# Altium PCB usb_can_8.PcbDoc (part 3 of 4) (continued)
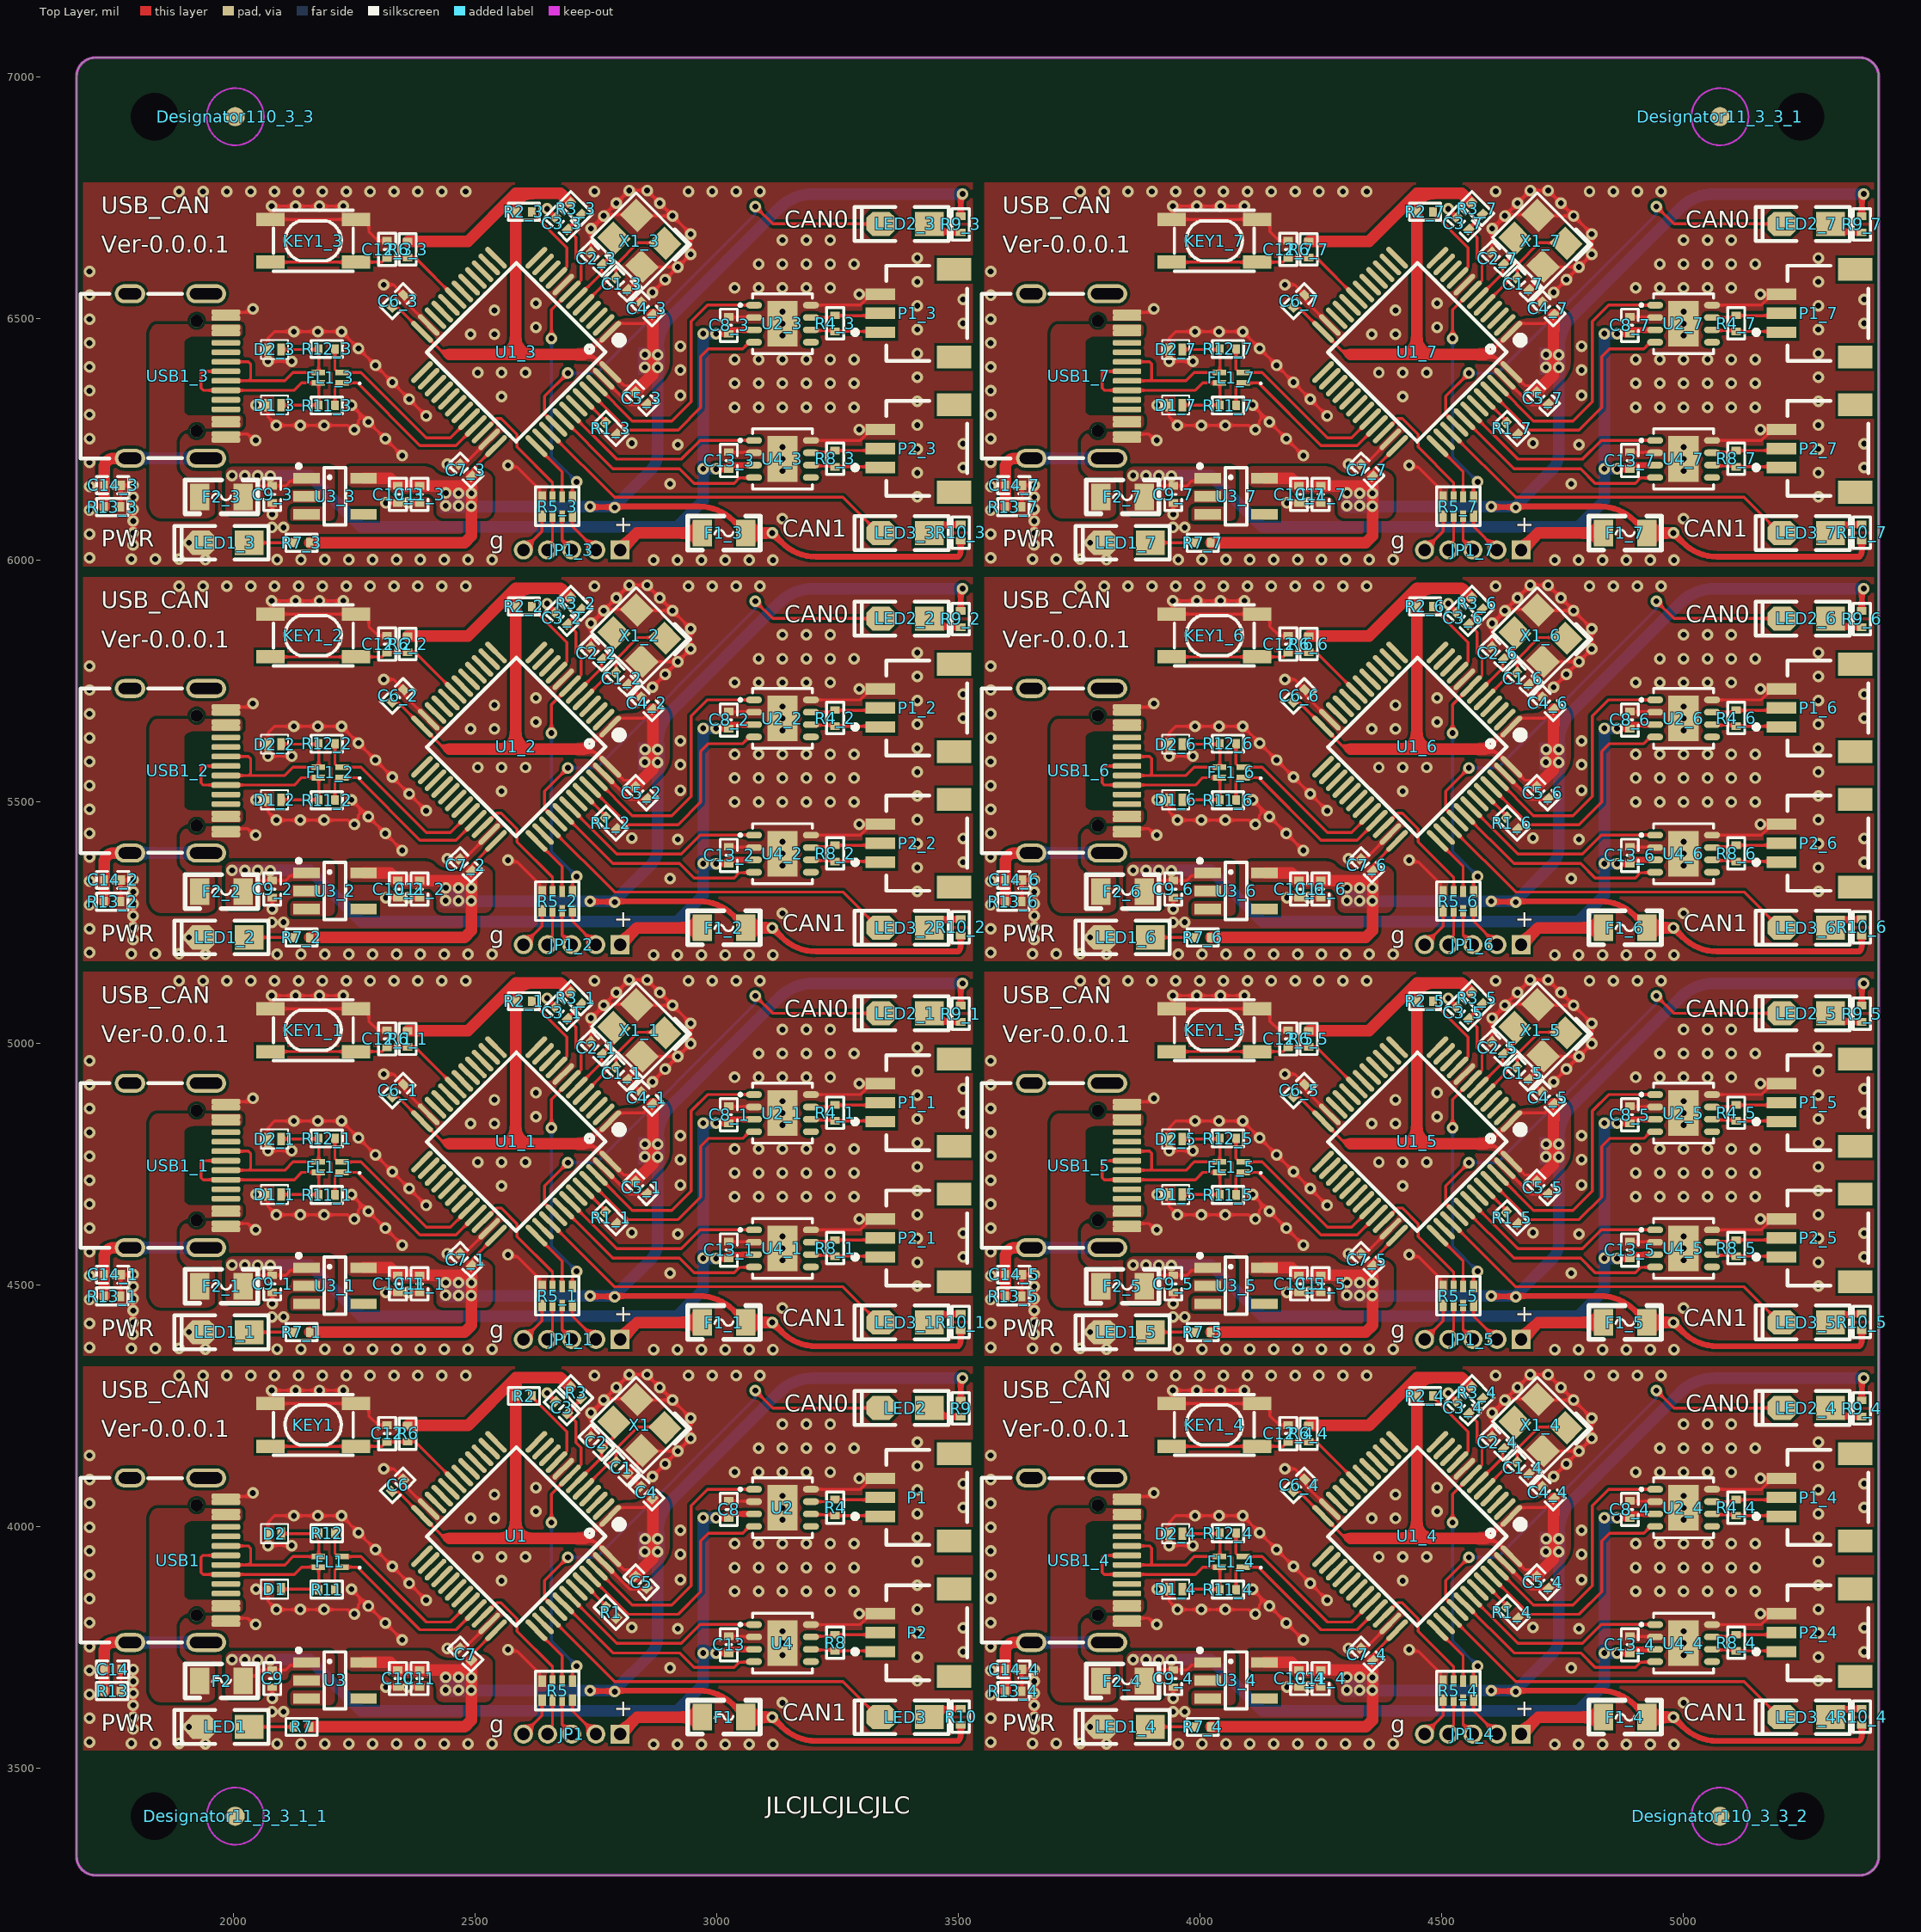
[diagram p0: Top Layer view]
## Nets (pads, with @x,y where several pads share a name; then routed paths per layer and width w, separated by ;. In a path a pad name is that pad's centre, name@x,y a point inside that pad or via, vN(x,y) a via of type N, cw(c..) or ccw(c..) an arc to the next point about the centre after c; other vN are vias at no path point) (continued)
  Bottom Layer w6: v1(2658,4008) 2658,3763 v1(2710,3711) ; v1(2658,4825) 2658,4580 v1(2710,4528) ; v1(2658,5642) 2658,5397 v1(2710,5345) ; v1(2658,6459) 2658,6214 v1(2710,6162) ; v1(4523,4008) 4523,3763 v1(4575,3711) ; v1(4523,4825) 4523,4580 v1(4575,4528) ; v1(4523,5642) 4523,5397 v1(4575,5345) ; v1(4523,6459) 4523,6214 v1(4575,6162)
SWCLK: R5.2 R5_1.2 R5_2.2 R5_3.2 R5_4.2 R5_5.2 R5_6.2 R5_7.2 U1.37 U1_1.37 U1_2.37 U1_3.37 U1_4.37 U1_5.37 U1_6.37 U1_7.37 | length 1019.4
  Top Layer w6: U1.37@2626.75,3785.12 2679.84,3732.04 R5.2@2679.84,3679.69 ; U1_1.37@2626.75,4602.12 2679.84,4549.04 R5_1.2@2679.84,4496.69 ; U1_2.37@2626.75,5419.12 2679.84,5366.04 R5_2.2@2679.84,5313.69 ; U1_3.37@2626.75,6236.12 2679.84,6183.04 R5_3.2@2679.84,6130.69 ; U1_4.37@4491.75,3785.12 4544.84,3732.04 R5_4.2@4544.84,3679.69 ; U1_5.37@4491.75,4602.12 4544.84,4549.04 R5_5.2@4544.84,4496.69 ; U1_6.37@4491.75,5419.12 4544.84,5366.04 R5_6.2@4544.84,5313.69 ; U1_7.37@4491.75,6236.12 4544.84,6183.04 R5_7.2@4544.84,6130.69
SWDIO: R5.3 R5_1.3 R5_2.3 R5_3.3 R5_4.3 R5_5.3 R5_6.3 R5_7.3 U1.34 U1_1.34 U1_2.34 U1_3.34 U1_4.34 U1_5.34 U1_6.34 U1_7.34 | length 2055.2
  Top Layer w6: U1.34@2515.41,3812.97 2544.44,3842 2554,3842 2587,3809 2587,3783 2660.16,3709.84 R5.3@2660.16,3679.69 ; U1_1.34@2515.41,4629.97 2544.44,4659 2554,4659 2587,4626 2587,4600 2660.16,4526.84 R5_1.3@2660.16,4496.69 ; U1_2.34@2515.41,5446.97 2544.44,5476 2554,5476 2587,5443 2587,5417 2660.16,5343.84 R5_2.3@2660.16,5313.69 ; U1_3.34@2515.41,6263.97 2544.44,6293 2554,6293 2587,6260 2587,6234 2660.16,6160.84 R5_3.3@2660.16,6130.69 ; U1_4.34@4380.41,3812.97 4409.44,3842 4419,3842 4452,3809 4452,3783 4525.16,3709.84 R5_4.3@4525.16,3679.69 ; U1_5.34@4380.41,4629.97 4409.44,4659 4419,4659 4452,4626 4452,4600 4525.16,4526.84 R5_5.3@4525.16,4496.69 ; U1_6.34@4380.41,5446.97 4409.44,5476 4419,5476 4452,5443 4452,5417 4525.16,5343.84 R5_6.3@4525.16,5313.69 ; U1_7.34@4380.41,6263.97 4409.44,6293 4419,6293 4452,6260 4452,6234 4525.16,6160.84 R5_7.3@4525.16,6130.69
USART2_RX(PB11): U1.22 U1_1.22 U1_2.22 U1_3.22 U1_4.22 U1_5.22 U1_6.22 U1_7.22
USART2_TX(PB10): U1.21 U1_1.21 U1_2.21 U1_3.21 U1_4.21 U1_5.21 U1_6.21 U1_7.21
USB_FS_N: FL1.4 FL1_1.4 FL1_2.4 FL1_3.4 FL1_4.4 FL1_5.4 FL1_6.4 FL1_7.4 R12.1 R12_1.1 R12_2.1 R12_3.1 R12_4.1 R12_5.1 R12_6.1 R12_7.1 U1.32 U1_1.32 U1_2.32 U1_3.32 U1_4.32 U1_5.32 U1_6.32 U1_7.32 | length 3155.1
  Top Layer w6: R12.1@2209.83,3985.94 2209.83,3944.31 2216.73,3937.41 FL1.4@2224.61,3937.41 2263.59,3937.41 2399,3802 2448.76,3802 U1.32@2487.57,3840.81 ; R12_1.1@2209.83,4802.94 2209.83,4761.31 2216.73,4754.41 FL1_1.4@2224.61,4754.41 2263.59,4754.41 2399,4619 2448.76,4619 U1_1.32@2487.57,4657.81 ; R12_2.1@2209.83,5619.94 2209.83,5578.31 2216.73,5571.41 FL1_2.4@2224.61,5571.41 2263.59,5571.41 2399,5436 2448.76,5436 U1_2.32@2487.57,5474.81 ; R12_3.1@2209.83,6436.94 2209.83,6395.31 2216.73,6388.41 FL1_3.4@2224.61,6388.41 2263.59,6388.41 2399,6253 2448.76,6253 U1_3.32@2487.57,6291.81 ; R12_4.1@4074.83,3985.94 4074.83,3944.31 4081.73,3937.41 FL1_4.4@4089.61,3937.41 4128.59,3937.41 4264,3802 4313.76,3802 U1_4.32@4352.57,3840.81 ; R12_5.1@4074.83,4802.94 4074.83,4761.31 4081.73,4754.41 FL1_5.4@4089.61,4754.41 4128.59,4754.41 4264,4619 4313.76,4619 U1_5.32@4352.57,4657.81 ; R12_6.1@4074.83,5619.94 4074.83,5578.31 4081.73,5571.41 FL1_6.4@4089.61,5571.41 4128.59,5571.41 4264,5436 4313.76,5436 U1_6.32@4352.57,5474.81 ; R12_7.1@4074.83,6436.94 4074.83,6395.31 4081.73,6388.41 FL1_7.4@4089.61,6388.41 4128.59,6388.41 4264,6253 4313.76,6253 U1_7.32@4352.57,6291.81
USB_FS_P: FL1.1 FL1_1.1 FL1_2.1 FL1_3.1 FL1_4.1 FL1_5.1 FL1_6.1 FL1_7.1 R11.1 R11_1.1 R11_2.1 R11_3.1 R11_4.1 R11_5.1 R11_6.1 R11_7.1 U1.33 U1_1.33 U1_2.33 U1_3.33 U1_4.33 U1_5.33 U1_6.33 U1_7.33 | length 3239.9
  Top Layer w6: R11.1@2209.83,3869.06 2209.83,3908.85 2216.73,3915.75 FL1.1@2224.61,3915.75 2256.25,3915.75 2386,3786 2460.59,3786 U1.33@2501.48,3826.89 ; R11_1.1@2209.83,4686.06 2209.83,4725.85 2216.73,4732.75 FL1_1.1@2224.61,4732.75 2256.25,4732.75 2386,4603 2460.59,4603 U1_1.33@2501.48,4643.89 ; R11_2.1@2209.83,5503.06 2209.83,5542.85 2216.73,5549.75 FL1_2.1@2224.61,5549.75 2256.25,5549.75 2386,5420 2460.59,5420 U1_2.33@2501.48,5460.89 ; R11_3.1@2209.83,6320.06 2209.83,6359.85 2216.73,6366.75 FL1_3.1@2224.61,6366.75 2256.25,6366.75 2386,6237 2460.59,6237 U1_3.33@2501.48,6277.89 ; R11_4.1@4074.83,3869.06 4074.83,3908.85 4081.73,3915.75 FL1_4.1@4089.61,3915.75 4121.25,3915.75 4251,3786 4325.59,3786 U1_4.33@4366.48,3826.89 ; R11_5.1@4074.83,4686.06 4074.83,4725.85 4081.73,4732.75 FL1_5.1@4089.61,4732.75 4121.25,4732.75 4251,4603 4325.59,4603 U1_5.33@4366.48,4643.89 ; R11_6.1@4074.83,5503.06 4074.83,5542.85 4081.73,5549.75 FL1_6.1@4089.61,5549.75 4121.25,5549.75 4251,5420 4325.59,5420 U1_6.33@4366.48,5460.89 ; R11_7.1@4074.83,6320.06 4074.83,6359.85 4081.73,6366.75 FL1_7.1@4089.61,6366.75 4121.25,6366.75 4251,6237 4325.59,6237 U1_7.33@4366.48,6277.89
USB_N: D2.1 D2_1.1 D2_2.1 D2_3.1 D2_4.1 D2_5.1 D2_6.1 D2_7.1 FL1.3 FL1_1.3 FL1_2.3 FL1_3.3 FL1_4.3 FL1_5.3 FL1_6.3 FL1_7.3 R12.2 R12_1.2 R12_2.2 R12_3.2 R12_4.2 R12_5.2 R12_6.2 R12_7.2 USB1.A7 USB1.B7 USB1_1.A7 USB1_1.B7 USB1_2.A7 USB1_2.B7 USB1_3.A7 USB1_3.B7 USB1_4.A7 USB1_4.B7 USB1_5.A7 USB1_5.B7 USB1_6.A7 USB1_6.B7 USB1_7.A7 USB1_7.B7 | length 3698.5
  Top Layer w6: USB1.B7@1984.21,3959.53 2030.9,3959.53 2035.42,3955 2035.42,3923.67 2031.91,3920.16 USB1.A7@1984.21,3920.16 2106.16,3920.16 2123.41,3937.41 FL1.3@2175.39,3937.41 2176.36,3938.37 R12.2@2176.36,3985.94 2175.43,3985 D2.1@2098.78,3985 ; USB1_1.B7@1984.21,4776.53 2030.9,4776.53 2035.42,4772 2035.42,4740.67 2031.91,4737.16 USB1_1.A7@1984.21,4737.16 2106.16,4737.16 2123.41,4754.41 FL1_1.3@2175.39,4754.41 2176.36,4755.37 R12_1.2@2176.36,4802.94 2175.43,4802 D2_1.1@2098.78,4802 ; USB1_2.B7@1984.21,5593.53 2030.9,5593.53 2035.42,5589 2035.42,5557.67 2031.91,5554.16 USB1_2.A7@1984.21,5554.16 2106.16,5554.16 2123.41,5571.41 FL1_2.3@2175.39,5571.41 2176.36,5572.37 R12_2.2@2176.36,5619.94 2175.43,5619 D2_2.1@2098.78,5619 ; USB1_3.B7@1984.21,6410.53 2030.9,6410.53 2035.42,6406 2035.42,6374.67 2031.91,6371.16 USB1_3.A7@1984.21,6371.16 2106.16,6371.16 2123.41,6388.41 FL1_3.3@2175.39,6388.41 2176.36,6389.37 R12_3.2@2176.36,6436.94 2175.43,6436 D2_3.1@2098.78,6436 ; USB1_4.B7@3849.21,3959.53 3895.9,3959.53 3900.43,3955 3900.43,3923.67 3896.91,3920.16 USB1_4.A7@3849.21,3920.16 3971.16,3920.16 3988.41,3937.41 FL1_4.3@4040.39,3937.41 4041.36,3938.37 R12_4.2@4041.36,3985.94 4040.43,3985 D2_4.1@3963.78,3985 ; USB1_5.B7@3849.21,4776.53 3895.9,4776.53 3900.43,4772 3900.43,4740.67 3896.91,4737.16 USB1_5.A7@3849.21,4737.16 3971.16,4737.16 3988.41,4754.41 FL1_5.3@4040.39,4754.41 4041.36,4755.37 R12_5.2@4041.36,4802.94 4040.43,4802 D2_5.1@3963.78,4802 ; USB1_6.B7@3849.21,5593.53 3895.9,5593.53 3900.43,5589 3900.43,5557.67 3896.91,5554.16 USB1_6.A7@3849.21,5554.16 3971.16,5554.16 3988.41,5571.41 FL1_6.3@4040.39,5571.41 4041.36,5572.37 R12_6.2@4041.36,5619.94 4040.43,5619 D2_6.1@3963.78,5619 ; USB1_7.B7@3849.21,6410.53 3895.9,6410.53 3900.43,6406 3900.43,6374.67 3896.91,6371.16 USB1_7.A7@3849.21,6371.16 3971.16,6371.16 3988.41,6388.41 FL1_7.3@4040.39,6388.41 4041.36,6389.37 R12_7.2@4041.36,6436.94 4040.43,6436 D2_7.1@3963.78,6436
USB_P: D1.1 D1_1.1 D1_2.1 D1_3.1 D1_4.1 D1_5.1 D1_6.1 D1_7.1 FL1.2 FL1_1.2 FL1_2.2 FL1_3.2 FL1_4.2 FL1_5.2 FL1_6.2 FL1_7.2 R11.2 R11_1.2 R11_2.2 R11_3.2 R11_4.2 R11_5.2 R11_6.2 R11_7.2 USB1.A6 USB1.B6 USB1_1.A6 USB1_1.B6 USB1_2.A6 USB1_2.B6 USB1_3.A6 USB1_3.B6 USB1_4.A6 USB1_4.B6 USB1_5.A6 USB1_5.B6 USB1_6.A6 USB1_6.B6 USB1_7.A6 USB1_7.B6 | length 3677.2
  Top Layer w6: USB1.A6@1984.21,3939.84 1936.51,3939.84 1933,3936.33 1933,3905 1937.53,3900.47 USB1.B6@1984.21,3900.47 2125.47,3900.47 2140.75,3915.75 FL1.2@2175.39,3915.75 2176.36,3914.78 R11.2@2176.36,3869.06 2175.43,3870 D1.1@2098.78,3870 ; USB1_1.A6@1984.21,4756.84 1936.51,4756.84 1933,4753.33 1933,4722 1937.53,4717.47 USB1_1.B6@1984.21,4717.47 2125.47,4717.47 2140.75,4732.75 FL1_1.2@2175.39,4732.75 2176.36,4731.78 R11_1.2@2176.36,4686.06 2175.43,4687 D1_1.1@2098.78,4687 ; USB1_2.A6@1984.21,5573.84 1936.51,5573.84 1933,5570.33 1933,5539 1937.53,5534.47 USB1_2.B6@1984.21,5534.47 2125.47,5534.47 2140.75,5549.75 FL1_2.2@2175.39,5549.75 2176.36,5548.78 R11_2.2@2176.36,5503.06 2175.43,5504 D1_2.1@2098.78,5504 ; USB1_3.A6@1984.21,6390.84 1936.51,6390.84 1933,6387.33 1933,6356 1937.53,6351.47 USB1_3.B6@1984.21,6351.47 2125.47,6351.47 2140.75,6366.75 FL1_3.2@2175.39,6366.75 2176.36,6365.78 R11_3.2@2176.36,6320.06 2175.43,6321 D1_3.1@2098.78,6321 ; USB1_4.A6@3849.21,3939.84 3801.51,3939.84 3798,3936.33 3798,3905 3802.53,3900.47 USB1_4.B6@3849.21,3900.47 3990.47,3900.47 4005.75,3915.75 FL1_4.2@4040.39,3915.75 4041.36,3914.78 R11_4.2@4041.36,3869.06 4040.43,3870 D1_4.1@3963.78,3870 ; USB1_5.A6@3849.21,4756.84 3801.51,4756.84 3798,4753.33 3798,4722 3802.53,4717.47 USB1_5.B6@3849.21,4717.47 3990.47,4717.47 4005.75,4732.75 FL1_5.2@4040.39,4732.75 4041.36,4731.78 R11_5.2@4041.36,4686.06 4040.43,4687 D1_5.1@3963.78,4687 ; USB1_6.A6@3849.21,5573.84 3801.51,5573.84 3798,5570.33 3798,5539 3802.53,5534.47 USB1_6.B6@3849.21,5534.47 3990.47,5534.47 4005.75,5549.75 FL1_6.2@4040.39,5549.75 4041.36,5548.78 R11_6.2@4041.36,5503.06 4040.43,5504 D1_6.1@3963.78,5504 ; USB1_7.A6@3849.21,6390.84 3801.51,6390.84 3798,6387.33 3798,6356 3802.53,6351.47 USB1_7.B6@3849.21,6351.47 3990.47,6351.47 4005.75,6366.75 FL1_7.2@4040.39,6366.75 4041.36,6365.78 R11_7.2@4041.36,6320.06 4040.43,6321 D1_7.1@3963.78,6321
USBVCC: F2.1 F2_1.1 F2_2.1 F2_3.1 F2_4.1 F2_5.1 F2_6.1 F2_7.1 USB1.A4 USB1.A9 USB1.B4 USB1.B9 USB1_1.A4 USB1_1.A9 USB1_1.B4 USB1_1.B9 USB1_2.A4 USB1_2.A9 USB1_2.B4 USB1_2.B9 USB1_3.A4 USB1_3.A9 USB1_3.B4 USB1_3.B9 USB1_4.A4 USB1_4.A9 USB1_4.B4 USB1_4.B9 USB1_5.A4 USB1_5.A9 USB1_5.B4 USB1_5.B9 USB1_6.A4 USB1_6.A9 USB1_6.B4 USB1_6.B9 USB1_7.A4 USB1_7.A9 USB1_7.B4 USB1_7.B9
VCC3V3: C4.1 C4_1.1 C4_2.1 C4_3.1 C4_4.1 C4_5.1 C4_6.1 C4_7.1 C5.1 C5_1.1 C5_2.1 C5_3.1 C5_4.1 C5_5.1 C5_6.1 C5_7.1 C6.1 C6_1.1 C6_2.1 C6_3.1 C6_4.1 C6_5.1 C6_6.1 C6_7.1 C7.1 C7_1.1 C7_2.1 C7_3.1 C7_4.1 C7_5.1 C7_6.1 C7_7.1 C10.2 C10_1.2 C10_2.2 C10_3.2 C10_4.2 C10_5.2 C10_6.2 C10_7.2 C11.2 C11_1.2 C11_2.2 C11_3.2 C11_4.2 C11_5.2 C11_6.2 C11_7.2 F1.1 F1_1.1 F1_2.1 F1_3.1 F1_4.1 F1_5.1 F1_6.1 F1_7.1 R2.1 R2_1.1 R2_2.1 R2_3.1 R2_4.1 R2_5.1 R2_6.1 R2_7.1 R3.2 R3_1.2 R3_2.2 R3_3.2 R3_4.2 R3_5.2 R3_6.2 R3_7.2 R6.1 R6_1.1 R6_2.1 R6_3.1 R6_4.1 R6_5.1 R6_6.1 R6_7.1 R7.2 R7_1.2 R7_2.2 R7_3.2 R7_4.2 R7_5.2 R7_6.2 R7_7.2 R9.1 R9_1.1 R9_2.1 R9_3.1 R9_4.1 R9_5.1 R9_6.1 R9_7.1 R10.1 R10_1.1 R10_2.1 R10_3.1 R10_4.1 R10_5.1 R10_6.1 R10_7.1 U1.1 U1.24 U1.36 U1.48 U1_1.1 U1_1.24 U1_1.36 U1_1.48 U1_2.1 U1_2.24 U1_2.36 U1_2.48 U1_3.1 U1_3.24 U1_3.36 U1_3.48 U1_4.1 U1_4.24 U1_4.36 U1_4.48 U1_5.1 U1_5.24 U1_5.36 U1_5.48 U1_6.1 U1_6.24 U1_6.36 U1_6.48 U1_7.1 U1_7.24 U1_7.36 U1_7.48 U3.5 U3_1.5 U3_2.5 U3_3.5 U3_4.5 U3_5.5 U3_6.5 U3_7.5 | length 37588.3
  Top Layer w6: C6.1@2327.47,4072.47 2328.86,4071.08 2340.81,4071.08 U1.24@2390.13,4021.76 2429.74,3982.15 ccw(c2447,3999.41) 2447,3975 ; C6_1.1@2327.47,4889.47 2328.86,4888.08 2340.81,4888.08 U1_1.24@2390.13,4838.76 2429.74,4799.15 ccw(c2447,4816.41) 2447,4792 ; C6_2.1@2327.47,5706.47 2328.86,5705.08 2340.81,5705.08 U1_2.24@2390.13,5655.76 2429.74,5616.15 ccw(c2447,5633.41) 2447,5609 ; C6_3.1@2327.47,6523.47 2328.86,6522.08 2340.81,6522.08 U1_3.24@2390.13,6472.76 2429.74,6433.15 ccw(c2447,6450.41) 2447,6426 ; 2493.92,3735.8 U1.36@2543.25,3785.13 ; 2493.92,4552.8 U1_1.36@2543.25,4602.13 ; 2493.92,5369.8 U1_2.36@2543.25,5419.13 ; 2493.92,6186.8 U1_3.36@2543.25,6236.13 ; 2756.02,3962.09 ccw(c2724.84,3930.89) 2724.84,3975 ccw(c2724.84,3994.99) 2738.97,3980.85 U1.1@2779.87,4021.75 2796.99,4038.87 2848.93,4038.87 C4.1@2867.53,4057.47 ; 2756.02,4779.09 ccw(c2724.84,4747.89) 2724.84,4792 ccw(c2724.84,4811.99) 2738.97,4797.85 U1_1.1@2779.87,4838.75 2796.99,4855.87 2848.93,4855.87 C4_1.1@2867.53,4874.47 ; 2756.02,5596.09 ccw(c2724.84,5564.89) 2724.84,5609 ccw(c2724.84,5628.99) 2738.97,5614.85 U1_2.1@2779.87,5655.75 2796.99,5672.87 2848.93,5672.87 C4_2.1@2867.53,5691.47 ; 2756.02,6413.09 ccw(c2724.84,6381.89) 2724.84,6426 ccw(c2724.84,6445.99) 2738.97,6431.85 U1_3.1@2779.87,6472.75 2796.99,6489.87 2848.93,6489.87 C4_3.1@2867.53,6508.47 ; 2756.03,3962.08 U1.48@2779.87,3938.24 2807.85,3910.26 2817.67,3910.26 C5.1@2831.1,3896.83 ; 2756.03,4779.08 U1_1.48@2779.87,4755.24 2807.85,4727.26 2817.67,4727.26 C5_1.1@2831.1,4713.83 ; 2756.03,5596.08 U1_2.48@2779.87,5572.24 2807.85,5544.26 2817.67,5544.26 C5_2.1@2831.1,5530.83 ; 2756.03,6413.08 U1_3.48@2779.87,6389.24 2807.85,6361.26 2817.67,6361.26 C5_3.1@2831.1,6347.83 ; C6_4.1@4192.47,4072.47 4193.86,4071.08 4205.81,4071.08 U1_4.24@4255.13,4021.76 4294.74,3982.15 ccw(c4312,3999.41) 4312,3975 ; C6_5.1@4192.47,4889.47 4193.86,4888.08 4205.81,4888.08 U1_5.24@4255.13,4838.76 4294.74,4799.15 ccw(c4312,4816.41) 4312,4792 ; C6_6.1@4192.47,5706.47 4193.86,5705.08 4205.81,5705.08 U1_6.24@4255.13,5655.76 4294.74,5616.15 ccw(c4312,5633.41) 4312,5609 ; C6_7.1@4192.47,6523.47 4193.86,6522.08 4205.81,6522.08 U1_7.24@4255.13,6472.76 4294.74,6433.15 ccw(c4312,6450.41) 4312,6426 ; 4358.92,3735.8 U1_4.36@4408.25,3785.13 ; 4358.92,4552.8 U1_5.36@4408.25,4602.13 ; 4358.92,5369.8 U1_6.36@4408.25,5419.13 ; 4358.92,6186.8 U1_7.36@4408.25,6236.13 ; 4621.02,3962.09 ccw(c4589.84,3930.89) 4589.84,3975 ccw(c4589.84,3994.99) 4603.97,3980.85 U1_4.1@4644.87,4021.75 4661.99,4038.87 4713.93,4038.87 C4_4.1@4732.53,4057.47 ; 4621.02,4779.09 ccw(c4589.84,4747.89) 4589.84,4792 ccw(c4589.84,4811.99) 4603.97,4797.85 U1_5.1@4644.87,4838.75 4661.99,4855.87 4713.93,4855.87 C4_5.1@4732.53,4874.47 ; 4621.02,5596.09 ccw(c4589.84,5564.89) 4589.84,5609 ccw(c4589.84,5628.99) 4603.97,5614.85 U1_6.1@4644.87,5655.75 4661.99,5672.87 4713.93,5672.87 C4_6.1@4732.53,5691.47 ; 4621.02,6413.09 ccw(c4589.84,6381.89) 4589.84,6426 ccw(c4589.84,6445.99) 4603.97,6431.85 U1_7.1@4644.87,6472.75 4661.99,6489.87 4713.93,6489.87 C4_7.1@4732.53,6508.47 ; 4621.03,3962.08 U1_4.48@4644.87,3938.24 4672.85,3910.26 4682.67,3910.26 C5_4.1@4696.1,3896.83 ; 4621.03,4779.08 U1_5.48@4644.87,4755.24 4672.85,4727.26 4682.67,4727.26 C5_5.1@4696.1,4713.83 ; 4621.03,5596.08 U1_6.48@4644.87,5572.24 4672.85,5544.26 4682.67,5544.26 C5_6.1@4696.1,5530.83 ; 4621.03,6413.08 U1_7.48@4644.87,6389.24 4672.85,6361.26 4682.67,6361.26 C5_7.1@4696.1,6347.83
  Top Layer w12: v1(2738,3660) 2739,3659 2788,3659 v1(2789,3658) ; v1(2738,4477) 2739,4476 2788,4476 v1(2789,4475) ; v1(2738,5294) 2739,5293 2788,5293 v1(2789,5292) ; v1(2738,6111) 2739,6110 2788,6110 v1(2789,6109) ; v1@2789,3660 2963.58,3660 cw(c2963.58,3560) 3034.29,3630.71 F1.1@3060,3605 ; v1@2789,4477 2963.58,4477 cw(c2963.58,4377) 3034.29,4447.71 F1_1.1@3060,4422 ; v1@2789,5294 2963.58,5294 cw(c2963.58,5194) 3034.29,5264.71 F1_2.1@3060,5239 ; v1@2789,6111 2963.58,6111 cw(c2963.58,6011) 3034.29,6081.71 F1_3.1@3060,6056 ; v1(3115,3605) 3134.71,3585.29 ccw(c3205.42,3656) 3205.42,3556 3500,3556 ccw(c3487.92,3568.08) 3505,3568.08 R10.1@3505,3589.25 ; v1(3115,4422) 3134.71,4402.29 ccw(c3205.42,4473) 3205.42,4373 3500,4373 ccw(c3487.92,4385.08) 3505,4385.08 R10_1.1@3505,4406.25 ; v1(3115,5239) 3134.71,5219.29 ccw(c3205.42,5290) 3205.42,5190 3500,5190 ccw(c3487.92,5202.08) 3505,5202.08 R10_2.1@3505,5223.25 ; v1(3115,6056) 3134.71,6036.29 ccw(c3205.42,6107) 3205.42,6007 3500,6007 ccw(c3487.92,6019.08) 3505,6019.08 R10_3.1@3505,6040.25 ; R9.1@3505,4260.75 3505,4297.34 cw(c3518.66,4297.34) v1(3509,4307) ; R9_1.1@3505,5077.75 3505,5114.34 cw(c3518.66,5114.34) v1(3509,5124) ; R9_2.1@3505,5894.75 3505,5931.34 cw(c3518.66,5931.34) v1(3509,5941) ; R9_3.1@3505,6711.75 3505,6748.34 cw(c3518.66,6748.34) v1(3509,6758) ; v1(4603,3660) 4604,3659 4653,3659 v1(4654,3658) ; v1(4603,4477) 4604,4476 4653,4476 v1(4654,4475) ; v1(4603,5294) 4604,5293 4653,5293 v1(4654,5292) ; v1(4603,6111) 4604,6110 4653,6110 v1(4654,6109) ; v1@4654,3660 4828.58,3660 cw(c4828.58,3560) 4899.29,3630.71 F1_4.1@4925,3605 ; v1@4654,4477 4828.58,4477 cw(c4828.58,4377) 4899.29,4447.71 F1_5.1@4925,4422 ; v1@4654,5294 4828.58,5294 cw(c4828.58,5194) 4899.29,5264.71 F1_6.1@4925,5239 ; v1@4654,6111 4828.58,6111 cw(c4828.58,6011) 4899.29,6081.71 F1_7.1@4925,6056 ; v1(4980,3605) 4999.71,3585.29 ccw(c5070.42,3656) 5070.42,3556 5365,3556 ccw(c5352.92,3568.08) 5370,3568.08 R10_4.1@5370,3589.25 ; v1(4980,4422) 4999.71,4402.29 ccw(c5070.42,4473) 5070.42,4373 5365,4373 ccw(c5352.92,4385.08) 5370,4385.08 R10_5.1@5370,4406.25 ; v1(4980,5239) 4999.71,5219.29 ccw(c5070.42,5290) 5070.42,5190 5365,5190 ccw(c5352.92,5202.08) 5370,5202.08 R10_6.1@5370,5223.25 ; v1(4980,6056) 4999.71,6036.29 ccw(c5070.42,6107) 5070.42,6007 5365,6007 ccw(c5352.92,6019.08) 5370,6019.08 R10_7.1@5370,6040.25 ; R9_4.1@5370,4260.75 5370,4297.34 cw(c5383.66,4297.34) v1(5374,4307) ; R9_5.1@5370,5077.75 5370,5114.34 cw(c5383.66,5114.34) v1(5374,5124) ; R9_6.1@5370,5894.75 5370,5931.34 cw(c5383.66,5931.34) v1(5374,5941) ; R9_7.1@5370,6711.75 5370,6748.34 cw(c5383.66,6748.34) v1(5374,6758)
  Top Layer w24: R7.2@2157.71,3585 2478.47,3585 2492.53,3599.06 2492.53,3705 ; R7_1.2@2157.71,4402 2478.47,4402 2492.53,4416.06 2492.53,4522 ; R7_2.2@2157.71,5219 2478.47,5219 2492.53,5233.06 2492.53,5339 ; R7_3.2@2157.71,6036 2478.47,6036 2492.53,6050.06 2492.53,6156 ; U3.5@2269.06,3718.48 2324.24,3718.48 C10.2@2340,3702.71 C11.2@2385,3702.71 2490.24,3702.71 2492.53,3705 ; U3_1.5@2269.06,4535.48 2324.24,4535.48 C10_1.2@2340,4519.71 C11_1.2@2385,4519.71 2490.24,4519.71 2492.53,4522 ; U3_2.5@2269.06,5352.48 2324.24,5352.48 C10_2.2@2340,5336.71 C11_2.2@2385,5336.71 2490.24,5336.71 2492.53,5339 ; U3_3.5@2269.06,6169.48 2324.24,6169.48 C10_3.2@2340,6153.71 C11_3.2@2385,6153.71 2490.24,6153.71 2492.53,6156 ; R6.1@2360.35,4208.8 2485.05,4208.8 2584.25,4308 2677,4308 R3.2@2696.48,4288.53 ; R6_1.1@2360.35,5025.8 2485.05,5025.8 2584.25,5125 2677,5125 R3_1.2@2696.48,5105.53 ; R6_2.1@2360.35,5842.8 2485.05,5842.8 2584.25,5942 2677,5942 R3_2.2@2696.48,5922.53 ; R6_3.1@2360.35,6659.8 2485.05,6659.8 2584.25,6759 2677,6759 R3_3.2@2696.48,6739.53 ; 2447,3975 2584,3975 ; 2447,4792 2584,4792 ; 2447,5609 2584,5609 ; 2447,6426 2584,6426 ; C7.1@2492.53,3722.47 2492.53,3705 ; C7_1.1@2492.53,4539.47 2492.53,4522 ; C7_2.1@2492.53,5356.47 2492.53,5339 ; C7_3.1@2492.53,6173.47 2492.53,6156 ; 2585,4308 2585,4277.33 2584.25,4276.58 R2.1@2584.25,4270 2584,4269.75 2584,3975 ; 2585,5125 2585,5094.33 2584.25,5093.58 R2_1.1@2584.25,5087 2584,5086.75 2584,4792 ; 2585,5942 2585,5911.33 2584.25,5910.58 R2_2.1@2584.25,5904 2584,5903.75 2584,5609 ; 2585,6759 2585,6728.33 2584.25,6727.58 R2_3.1@2584.25,6721 2584,6720.75 2584,6426 ; 2724.84,3975 2584,3975 ; 2724.84,4792 2584,4792 ; 2724.84,5609 2584,5609 ; 2724.84,6426 2584,6426 ; C5.1@2831.1,3896.83 2867.53,3933.27 C4.1@2867.53,4057.47 ; C5_1.1@2831.1,4713.83 2867.53,4750.27 C4_1.1@2867.53,4874.47 ; C5_2.1@2831.1,5530.83 2867.53,5567.27 C4_2.1@2867.53,5691.47 ; C5_3.1@2831.1,6347.83 2867.53,6384.27 C4_3.1@2867.53,6508.47 ; F1.1@3060,3605 v1(3115,3605) ; F1_1.1@3060,4422 v1(3115,4422) ; F1_2.1@3060,5239 v1(3115,5239) ; F1_3.1@3060,6056 v1(3115,6056) ; R7_4.2@4022.71,3585 4343.47,3585 4357.53,3599.06 4357.53,3705 ; R7_5.2@4022.71,4402 4343.47,4402 4357.53,4416.06 4357.53,4522 ; R7_6.2@4022.71,5219 4343.47,5219 4357.53,5233.06 4357.53,5339 ; R7_7.2@4022.71,6036 4343.47,6036 4357.53,6050.06 4357.53,6156 ; U3_4.5@4134.06,3718.48 4189.24,3718.48 C10_4.2@4205,3702.71 C11_4.2@4250,3702.71 4355.24,3702.71 4357.53,3705 ; U3_5.5@4134.06,4535.48 4189.24,4535.48 C10_5.2@4205,4519.71 C11_5.2@4250,4519.71 4355.24,4519.71 4357.53,4522 ; U3_6.5@4134.06,5352.48 4189.24,5352.48 C10_6.2@4205,5336.71 C11_6.2@4250,5336.71 4355.24,5336.71 4357.53,5339 ; U3_7.5@4134.06,6169.48 4189.24,6169.48 C10_7.2@4205,6153.71 C11_7.2@4250,6153.71 4355.24,6153.71 4357.53,6156 ; R6_4.1@4225.35,4208.8 4350.05,4208.8 4449.25,4308 4542,4308 R3_4.2@4561.48,4288.53 ; R6_5.1@4225.35,5025.8 4350.05,5025.8 4449.25,5125 4542,5125 R3_5.2@4561.48,5105.53 ; R6_6.1@4225.35,5842.8 4350.05,5842.8 4449.25,5942 4542,5942 R3_6.2@4561.48,5922.53 ; R6_7.1@4225.35,6659.8 4350.05,6659.8 4449.25,6759 4542,6759 R3_7.2@4561.48,6739.53 ; 4312,3975 4449,3975 ; 4312,4792 4449,4792 ; 4312,5609 4449,5609 ; 4312,6426 4449,6426 ; C7_4.1@4357.53,3722.47 4357.53,3705 ; C7_5.1@4357.53,4539.47 4357.53,4522 ; C7_6.1@4357.53,5356.47 4357.53,5339 ; C7_7.1@4357.53,6173.47 4357.53,6156 ; 4450,4308 4450,4277.33 4449.25,4276.58 R2_4.1@4449.25,4270 4449,4269.75 4449,3975 ; 4450,5125 4450,5094.33 4449.25,5093.58 R2_5.1@4449.25,5087 4449,5086.75 4449,4792 ; 4450,5942 4450,5911.33 4449.25,5910.58 R2_6.1@4449.25,5904 4449,5903.75 4449,5609 ; 4450,6759 4450,6728.33 4449.25,6727.58 R2_7.1@4449.25,6721 4449,6720.75 4449,6426 ; 4589.84,3975 4449,3975 ; 4589.84,4792 4449,4792 ; 4589.84,5609 4449,5609 ; 4589.84,6426 4449,6426 ; C5_4.1@4696.1,3896.83 4732.53,3933.27 C4_4.1@4732.53,4057.47 ; C5_5.1@4696.1,4713.83 4732.53,4750.27 C4_5.1@4732.53,4874.47 ; C5_6.1@4696.1,5530.83 4732.53,5567.27 C4_6.1@4732.53,5691.47 ; C5_7.1@4696.1,6347.83 4732.53,6384.27 C4_7.1@4732.53,6508.47 ; F1_4.1@4925,3605 v1(4980,3605) ; F1_5.1@4925,4422 v1(4980,4422) ; F1_6.1@4925,5239 v1(4980,5239) ; F1_7.1@4925,6056 v1(4980,6056)
  Bottom Layer w24: v1(2491.97,3660.77) 2492.74,3660 2787,3660 v1(2789,3658) ; v1(2491.97,4477.77) 2492.74,4477 2787,4477 v1(2789,4475) ; v1(2491.97,5294.77) 2492.74,5294 2787,5294 v1(2789,5292) ; v1(2491.97,6111.77) 2492.74,6111 2787,6111 v1(2789,6109) ; v1@2789,3660.77 2864.15,3735.92 ccw(c2831.38,3768.7) 2877.73,3768.7 v1(2877.73,3947.59) ; v1@2789,4477.77 2864.15,4552.92 ccw(c2831.38,4585.7) 2877.73,4585.7 v1(2877.73,4764.59) ; v1@2789,5294.77 2864.15,5369.92 ccw(c2831.38,5402.7) 2877.73,5402.7 v1(2877.73,5581.59) ; v1@2789,6111.77 2864.15,6186.92 ccw(c2831.38,6219.7) 2877.73,6219.7 v1(2877.73,6398.59) ; v1(2878,3974) 2878,3986.4 cw(c2973.6,3986.4) 2906,4054 3129.71,4277.71 cw(c3200.42,4207) 3200.42,4307 v1(3509,4307) ; v1(2878,4791) 2878,4803.4 cw(c2973.6,4803.4) 2906,4871 3129.71,5094.71 cw(c3200.42,5024) 3200.42,5124 v1(3509,5124) ; v1(2878,5608) 2878,5620.4 cw(c2973.6,5620.4) 2906,5688 3129.71,5911.71 cw(c3200.42,5841) 3200.42,5941 v1(3509,5941) ; v1(2878,6425) 2878,6437.4 cw(c2973.6,6437.4) 2906,6505 3129.71,6728.71 cw(c3200.42,6658) 3200.42,6758 v1(3509,6758) ; v1(4356.97,3660.77) 4357.74,3660 4652,3660 v1(4654,3658) ; v1(4356.97,4477.77) 4357.74,4477 4652,4477 v1(4654,4475) ; v1(4356.97,5294.77) 4357.74,5294 4652,5294 v1(4654,5292) ; v1(4356.97,6111.77) 4357.74,6111 4652,6111 v1(4654,6109) ; v1@4654,3660.77 4729.15,3735.92 ccw(c4696.38,3768.7) 4742.73,3768.7 v1(4742.73,3947.59) ; v1@4654,4477.77 4729.15,4552.92 ccw(c4696.38,4585.7) 4742.73,4585.7 v1(4742.73,4764.59) ; v1@4654,5294.77 4729.15,5369.92 ccw(c4696.38,5402.7) 4742.73,5402.7 v1(4742.73,5581.59) ; v1@4654,6111.77 4729.15,6186.92 ccw(c4696.38,6219.7) 4742.73,6219.7 v1(4742.73,6398.59) ; v1(4743,3974) 4743,3986.4 cw(c4838.6,3986.4) 4771,4054 4994.71,4277.71 cw(c5065.42,4207) 5065.42,4307 v1(5374,4307) ; v1(4743,4791) 4743,4803.4 cw(c4838.6,4803.4) 4771,4871 4994.71,5094.71 cw(c5065.42,5024) 5065.42,5124 v1(5374,5124) ; v1(4743,5608) 4743,5620.4 cw(c4838.6,5620.4) 4771,5688 4994.71,5911.71 cw(c5065.42,5841) 5065.42,5941 v1(5374,5941) ; v1(4743,6425) 4743,6437.4 cw(c4838.6,6437.4) 4771,6505 4994.71,6728.71 cw(c5065.42,6658) 5065.42,6758 v1(5374,6758)
  other v1: 2439.14,3661.32 2465.55,3661.04 4304.14,3661.32 4330.55,3661.04 2465.83,3687.46 2492.24,3687.19 4330.83,3687.46 4357.24,3687.19 2439.41,3687.73 4304.41,3687.73 2851.32,3947.86 4716.32,3947.86 2851.59,3974.27 4716.59,3974.27 2439.14,4478.32 2465.55,4478.04 4304.14,4478.32 4330.55,4478.04 2465.83,4504.46 2492.24,4504.19 4330.83,4504.46 4357.24,4504.19 2439.41,4504.73 4304.41,4504.73 2851.32,4764.86 4716.32,4764.86 2851.59,4791.27 4716.59,4791.27 2439.14,5295.32 2465.55,5295.04 4304.14,5295.32 4330.55,5295.04 2465.83,5321.46 2492.24,5321.19 4330.83,5321.46 4357.24,5321.19 2439.41,5321.73 4304.41,5321.73 2851.32,5581.86 4716.32,5581.86 2851.59,5608.27 4716.59,5608.27 2439.14,6112.32 2465.55,6112.04 4304.14,6112.32 4330.55,6112.04 2465.83,6138.46 2492.24,6138.19 4330.83,6138.46 4357.24,6138.19 2439.41,6138.73 4304.41,6138.73 2851.32,6398.86 4716.32,6398.86 2851.59,6425.27 4716.59,6425.27